# KiCad board poly_kb_molecule_4x5.kicad_pcb (continued)
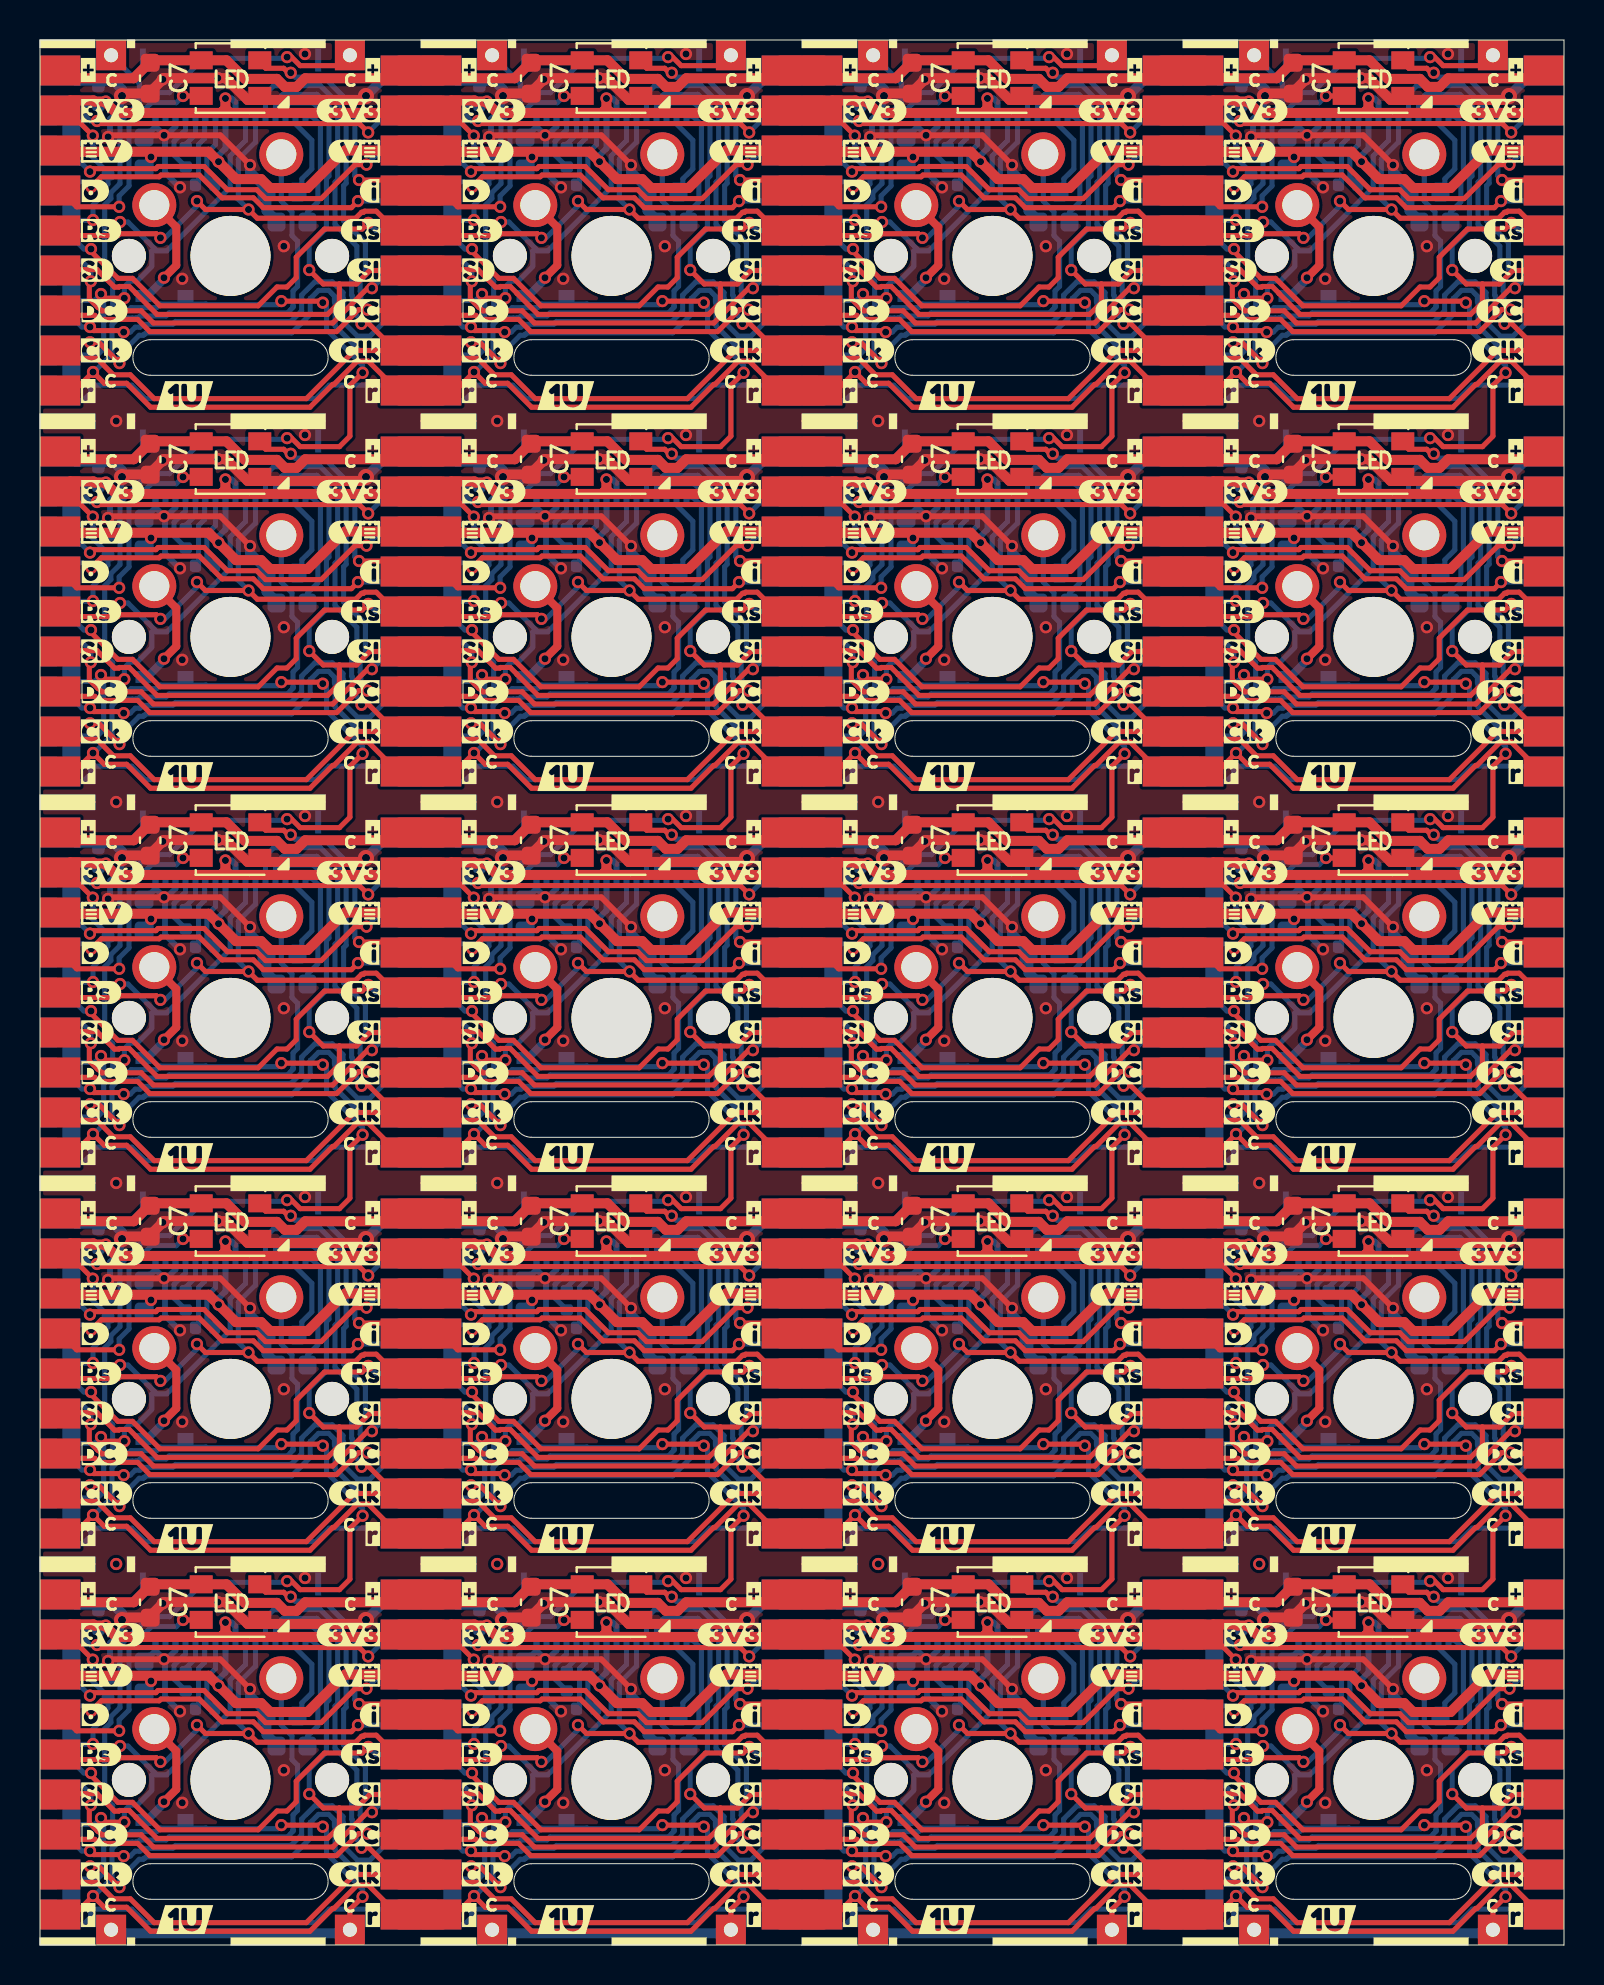
[diagram p0: board, top side]
## Routing (per net, layer and track width the routed paths; a pad name or vN(x,y) marks a point on that pad's centre or on a via; arc(x,y) is an arc through that point) (continued)
/Keyboard/sheet605ED2EB/LED_DIN: length 497.6
  Top w0.254: 36.83,30.58 36.3,31.1 v1(35,31.1) ; v1(50.64,55.51) 50.51,55.51 50.29,55.74 49.39,55.74 48.99,56.13 ; v1(69.69,17.41) 69.56,17.41 69.34,17.64 68.44,17.64 68.04,18.03 ; v1(23.01,29.76) 20.88,29.76 J3#7.4 ; v1(69.69,55.51) 69.56,55.51 69.34,55.74 68.44,55.74 68.04,56.13 ; 48.99,94.23 49.39,93.84 50.29,93.84 50.51,93.61 v1(50.64,93.61) ; 29.94,75.19 30.34,74.79 31.24,74.79 31.46,74.56 v1(31.59,74.56) ; v1(15.95,88.25) 17.25,88.25 17.78,87.72 ; J3#9.4 20.88,67.86 v1(23.01,67.86) ; J3#17.4 39.93,29.76 v1(42.06,29.76) ; v1(12.54,17.41) 12.41,17.41 12.19,17.64 11.29,17.64 10.89,18.03 ; v1(42.06,86.91) 39.93,86.91 J3#19.4 ; 36.83,68.67 36.3,69.2 v1(35,69.2) ; v1(31.59,55.51) 31.46,55.51 31.24,55.74 30.34,55.74 29.94,56.13 ; LED1#10.2 65.2,92.45 v1(64.3,92.45) ; v1(73.1,88.25) 74.41,88.25 74.93,87.72 ; v1(35,50.15) 36.3,50.15 36.83,49.62 ; J3#2.4 20.88,48.81 v1(23.01,48.81) ; LED1#3.2 65.2,54.35 v1(64.3,54.35) ; v1(7.15,92.45) 8.05,92.45 LED1.2 ; 74.93,30.58 74.41,31.1 v1(73.1,31.1) ; 74.93,11.53 74.41,12.05 v1(73.1,12.05) ; v1(26.2,35.3) 27.1,35.3 LED1#11.2 ; v1(61.11,10.71) 58.98,10.71 J3#15.4 ; J3#4.4 1.83,48.81 v1(3.96,48.81) ; 17.78,49.62 17.25,50.15 v1(15.95,50.15) ; LED1#9.2 8.05,16.25 v1(7.15,16.25) ; J3#12.4 58.98,86.91 v1(61.11,86.91) ; 68.04,94.23 68.44,93.84 69.34,93.84 69.56,93.61 v1(69.69,93.61) ; v1(31.59,36.46) 31.46,36.46 31.24,36.69 30.34,36.69 29.94,37.08 ; LED1#16.2 8.05,73.4 v1(7.15,73.4) ; v1(61.11,48.81) 58.98,48.81 J3#13.4 ; v1(3.96,67.86) 1.83,67.86 J3#10.4 ; LED1#20.2 27.1,92.45 v1(26.2,92.45) ; v1(15.95,69.2) 17.25,69.2 17.78,68.67 ; 74.93,68.67 74.41,69.2 v1(73.1,69.2) ; 17.78,30.58 17.25,31.1 v1(15.95,31.1) ; v1(45.25,16.25) 46.16,16.25 LED1#8.2 ; LED1#12.2 46.16,92.45 v1(45.25,92.45) ; v1(26.2,16.25) 27.1,16.25 LED1#17.2 ; 36.83,11.53 36.3,12.05 v1(35,12.05) ; v1(64.3,35.3) 65.2,35.3 LED1#2.2 ; v1(42.06,10.71) 39.93,10.71 J3#3.4 ; v1(31.59,93.61) 31.46,93.61 31.24,93.84 30.34,93.84 29.94,94.23 ; 68.04,37.08 68.44,36.69 69.34,36.69 69.56,36.46 v1(69.69,36.46) ; J3#11.4 20.88,86.91 v1(23.01,86.91) ; v1(12.54,36.46) 12.41,36.46 12.19,36.69 11.29,36.69 10.89,37.08 ; v1(45.25,54.35) 46.16,54.35 LED1#18.2 ; J3#5.4 58.98,67.86 v1(61.11,67.86) ; J3#8.4 1.83,10.71 v1(3.96,10.71) ; v1(54.05,88.25) 55.36,88.25 55.88,87.72 ; 29.94,18.03 30.34,17.64 31.24,17.64 31.46,17.41 v1(31.59,17.41) ; LED1#14.2 46.16,73.4 v1(45.25,73.4) ; v1(3.96,86.91) 1.83,86.91 J3.4 ; 36.83,87.72 36.3,88.25 v1(35,88.25) ; v1(73.1,50.15) 74.41,50.15 74.93,49.62 ; v1(54.05,12.05) 55.36,12.05 55.88,11.53 ; LED1#4.2 27.1,54.35 v1(26.2,54.35) ; v1(50.64,74.56) 50.51,74.56 50.29,74.79 49.39,74.79 48.99,75.19 ; 10.89,56.13 11.29,55.74 12.19,55.74 12.41,55.51 v1(12.54,55.51) ; 55.88,49.62 55.36,50.15 v1(54.05,50.15) ; LED1#5.2 8.05,54.35 v1(7.15,54.35) ; v1(54.05,69.2) 55.36,69.2 55.88,68.67 ; 48.99,18.03 49.39,17.64 50.29,17.64 50.51,17.41 v1(50.64,17.41) ; J3#18.4 39.93,67.86 v1(42.06,67.86) ; v1(15.95,12.05) 17.25,12.05 17.78,11.53 ; 55.88,30.58 55.36,31.1 v1(54.05,31.1) ; 48.99,37.08 49.39,36.69 50.29,36.69 50.51,36.46 v1(50.64,36.46) ; v1(64.3,16.25) 65.2,16.25 LED1#13.2 ; J3#14.4 20.88,10.71 v1(23.01,10.71) ; 68.04,75.19 68.44,74.79 69.34,74.79 69.56,74.56 v1(69.69,74.56) ; v1(12.54,93.61) 12.41,93.61 12.19,93.84 11.29,93.84 10.89,94.23 ; 10.89,75.19 11.29,74.79 12.19,74.79 12.41,74.56 v1(12.54,74.56) ; v1(45.25,35.3) 46.16,35.3 LED1#6.2 ; v1(42.06,48.81) 39.93,48.81 J3#6.4 ; J3#16.4 1.83,29.76 v1(3.96,29.76) ; v1(7.15,35.3) 8.05,35.3 LED1#7.2 ; LED1#19.2 27.1,73.4 v1(26.2,73.4) ; J3#20.4 58.98,29.76 v1(61.11,29.76) ; v1(64.3,73.4) 65.2,73.4 LED1#15.2
  Top w1.5: J4#5.4 J3#2.4 ; J4.4 J3#11.4 ; J4#16.4 J3#7.4 ; J3#15.4 J4#18.4 ; J3#5.4 J4#10.4 ; J4#15.4 J3#17.4 ; J3#13.4 J4#2.4 ; J4#20.4 J3#19.4 ; J3#12.4 J4#13.4 ; J4#17.4 J3#9.4 ; J4#12.4 J3#6.4 ; J4#8.4 J3#18.4 ; J3#20.4 J4#19.4 ; J4#9.4 J3#3.4 ; J4#4.4 J3#14.4
  Bottom w0.254: v1(3.96,67.86) 3.96,68.41 4.45,68.9 4.45,71.95 5.57,73.07 6.82,73.07 v1(7.15,73.4) ; v1(73.1,69.2) 72.89,69.41 72.89,72.8 71.35,74.34 69.91,74.34 v1(69.69,74.56) ; v1(7.15,54.35) 6.82,54.02 5.57,54.02 4.45,52.9 4.45,49.85 3.96,49.36 v1(3.96,48.81) ; v1(35,88.25) 34.79,88.46 34.79,91.85 33.25,93.39 31.81,93.39 v1(31.59,93.61) ; v1(50.64,74.56) 50.86,74.34 52.3,74.34 53.84,72.8 53.84,69.41 v1(54.05,69.2) ; v1(23.01,29.76) 23.01,30.31 23.5,30.8 23.5,33.85 24.62,34.97 25.87,34.97 v1(26.2,35.3) ; v1(50.64,93.61) 50.86,93.39 52.3,93.39 53.84,91.85 53.84,88.46 v1(54.05,88.25) ; v1(69.69,36.46) 69.91,36.24 71.35,36.24 72.89,34.7 72.89,31.31 v1(73.1,31.1) ; v1(42.06,86.91) 42.06,87.46 42.55,87.95 42.55,91 43.67,92.12 44.92,92.12 v1(45.25,92.45) ; v1(45.25,54.35) 44.92,54.02 43.67,54.02 42.55,52.9 42.55,49.85 42.06,49.36 v1(42.06,48.81) ; v1(73.1,50.15) 72.89,50.36 72.89,53.75 71.35,55.29 69.91,55.29 v1(69.69,55.51) ; v1(12.54,17.41) 12.76,17.19 14.2,17.19 15.74,15.65 15.74,12.26 v1(15.95,12.05) ; v1(12.54,55.51) 12.76,55.29 14.2,55.29 15.74,53.75 15.74,50.36 v1(15.95,50.15) ; v1(3.96,86.91) 3.96,87.46 4.45,87.95 4.45,91 5.57,92.12 6.82,92.12 v1(7.15,92.45) ; v1(61.11,67.86) 61.11,68.41 61.6,68.9 61.6,71.95 62.72,73.07 63.97,73.07 v1(64.3,73.4) ; v1(3.96,10.71) 3.96,11.26 4.45,11.75 4.45,14.8 5.57,15.92 6.82,15.92 v1(7.15,16.25) ; v1(31.59,74.56) 31.81,74.34 33.25,74.34 34.79,72.8 34.79,69.41 v1(35,69.2) ; v1(42.06,29.76) 42.06,30.31 42.55,30.8 42.55,33.85 43.67,34.97 44.92,34.97 v1(45.25,35.3) ; v1(12.54,93.61) 12.76,93.39 14.2,93.39 15.74,91.85 15.74,88.46 v1(15.95,88.25) ; v1(50.64,17.41) 50.86,17.19 52.3,17.19 53.84,15.65 53.84,12.26 v1(54.05,12.05) ; v1(15.95,31.1) 15.74,31.31 15.74,34.7 14.2,36.24 12.76,36.24 v1(12.54,36.46) ; v1(69.69,17.41) 69.91,17.19 71.35,17.19 72.89,15.65 72.89,12.26 v1(73.1,12.05) ; v1(64.3,54.35) 63.97,54.02 62.72,54.02 61.6,52.9 61.6,49.85 61.11,49.36 v1(61.11,48.81) ; v1(26.2,92.45) 25.87,92.12 24.62,92.12 23.5,91 23.5,87.95 23.01,87.46 v1(23.01,86.91) ; v1(61.11,10.71) 61.11,11.26 61.6,11.75 61.6,14.8 62.72,15.92 63.97,15.92 v1(64.3,16.25) ; v1(35,50.15) 34.79,50.36 34.79,53.75 33.25,55.29 31.81,55.29 v1(31.59,55.51) ; v1(26.2,16.25) 25.87,15.92 24.62,15.92 23.5,14.8 23.5,11.75 23.01,11.26 v1(23.01,10.71) ; v1(15.95,69.2) 15.74,69.41 15.74,72.8 14.2,74.34 12.76,74.34 v1(12.54,74.56) ; v1(3.96,29.76) 3.96,30.31 4.45,30.8 4.45,33.85 5.57,34.97 6.82,34.97 v1(7.15,35.3) ; v1(31.59,17.41) 31.81,17.19 33.25,17.19 34.79,15.65 34.79,12.26 v1(35,12.05) ; v1(64.3,92.45) 63.97,92.12 62.72,92.12 61.6,91 61.6,87.95 61.11,87.46 v1(61.11,86.91) ; v1(23.01,48.81) 23.01,49.36 23.5,49.85 23.5,52.9 24.62,54.02 25.87,54.02 v1(26.2,54.35) ; v1(54.05,50.15) 53.84,50.36 53.84,53.75 52.3,55.29 50.86,55.29 v1(50.64,55.51) ; v1(31.59,36.46) 31.81,36.24 33.25,36.24 34.79,34.7 34.79,31.31 v1(35,31.1) ; v1(69.69,93.61) 69.91,93.39 71.35,93.39 72.89,91.85 72.89,88.46 v1(73.1,88.25) ; v1(45.25,73.4) 44.92,73.07 43.67,73.07 42.55,71.95 42.55,68.9 42.06,68.41 v1(42.06,67.86) ; v1(50.64,36.46) 50.86,36.24 52.3,36.24 53.84,34.7 53.84,31.31 v1(54.05,31.1) ; v1(61.11,29.76) 61.11,30.31 61.6,30.8 61.6,33.85 62.72,34.97 63.97,34.97 v1(64.3,35.3) ; v1(45.25,16.25) 44.92,15.92 43.67,15.92 42.55,14.8 42.55,11.75 42.06,11.26 v1(42.06,10.71) ; v1(26.2,73.4) 25.87,73.07 24.62,73.07 23.5,71.95 23.5,68.9 23.01,68.41 v1(23.01,67.86)
/Keyboard/sheet605ED2EB/RESET: length 511.1
  Top w0.254: 17.78,66.67 16.81,67.64 16.23,67.64 16.18,67.59 16.08,67.59 15.78,67.29 10.86,67.29 v1(10.43,67.72) 8.27,67.72 v1(7.85,68.15) ; v1(26.9,30.05) 27.32,29.62 v1(29.48,29.62) 29.91,29.19 34.83,29.19 35.13,29.49 35.23,29.49 35.28,29.54 35.86,29.54 36.83,28.58 ; J3#17.5 39.37,28.32 42,28.32 42.09,28.41 43.92,28.41 v1(44.12,28.21) ; J3#4.5 1.27,47.37 3.9,47.37 3.99,47.46 5.82,47.46 v1(6.02,47.26) ; J3#15.5 58.42,9.27 61.05,9.27 61.14,9.36 62.97,9.36 v1(63.17,9.16) ; v1(65,30.05) 65.42,29.62 v1(67.58,29.62) 68.01,29.19 72.93,29.19 73.23,29.49 73.33,29.49 73.38,29.54 73.96,29.54 74.93,28.58 ; v1(6.02,28.21) 5.82,28.41 3.99,28.41 3.9,28.32 1.27,28.32 J3#16.5 ; v1(25.07,85.36) 24.87,85.56 23.04,85.56 22.95,85.47 20.32,85.47 J3#11.5 ; J3#8.5 1.27,9.27 3.9,9.27 3.99,9.36 5.82,9.36 v1(6.02,9.16) ; v1(44.12,9.16) 43.92,9.36 42.09,9.36 42,9.27 39.37,9.27 J3#3.5 ; v1(25.07,28.21) 24.87,28.41 23.04,28.41 22.95,28.32 20.32,28.32 J3#7.5 ; v1(63.17,66.31) 62.97,66.51 61.14,66.51 61.05,66.42 58.42,66.42 J3#5.5 ; v1(45.95,30.05) 46.37,29.62 v1(48.53,29.62) 48.96,29.19 53.88,29.19 54.18,29.49 54.28,29.49 54.33,29.54 54.91,29.54 55.88,28.58 ; v1(45.95,68.15) 46.37,67.72 v1(48.53,67.72) 48.96,67.29 53.88,67.29 54.18,67.59 54.28,67.59 54.33,67.64 54.91,67.64 55.88,66.67 ; v1(7.85,11) 8.27,10.57 v1(10.43,10.57) 10.86,10.14 15.78,10.14 16.08,10.44 16.18,10.44 16.23,10.49 16.81,10.49 17.78,9.53 ; v1(63.17,85.36) 62.97,85.56 61.14,85.56 61.05,85.47 58.42,85.47 J3#12.5 ; J3#10.5 1.27,66.42 3.9,66.42 3.99,66.51 5.82,66.51 v1(6.02,66.31) ; 17.78,47.62 16.81,48.59 16.23,48.59 16.18,48.54 16.08,48.54 15.78,48.24 10.86,48.24 v1(10.43,48.67) 8.27,48.67 v1(7.85,49.1) ; v1(26.9,49.1) 27.32,48.67 v1(29.48,48.67) 29.91,48.24 34.83,48.24 35.13,48.54 35.23,48.54 35.28,48.59 35.86,48.59 36.83,47.62 ; v1(63.17,28.21) 62.97,28.41 61.14,28.41 61.05,28.32 58.42,28.32 J3#20.5 ; v1(65,49.1) 65.42,48.67 v1(67.58,48.67) 68.01,48.24 72.93,48.24 73.23,48.54 73.33,48.54 73.38,48.59 73.96,48.59 74.93,47.62 ; 36.83,66.67 35.86,67.64 35.28,67.64 35.23,67.59 35.13,67.59 34.83,67.29 29.91,67.29 v1(29.48,67.72) 27.32,67.72 v1(26.9,68.15) ; v1(65,68.15) 65.42,67.72 v1(67.58,67.72) 68.01,67.29 72.93,67.29 73.23,67.59 73.33,67.59 73.38,67.64 73.96,67.64 74.93,66.67 ; v1(45.95,87.2) 46.37,86.77 v1(48.53,86.77) 48.96,86.34 53.88,86.34 54.18,86.64 54.28,86.64 54.33,86.69 54.91,86.69 55.88,85.72 ; v1(7.85,30.05) 8.27,29.62 v1(10.43,29.62) 10.86,29.19 15.78,29.19 16.08,29.49 16.18,29.49 16.23,29.54 16.81,29.54 17.78,28.58 ; v1(6.02,85.36) 5.82,85.56 3.99,85.56 3.9,85.47 1.27,85.47 J3.5 ; v1(65,87.2) 65.42,86.77 v1(67.58,86.77) 68.01,86.34 72.93,86.34 73.23,86.64 73.33,86.64 73.38,86.69 73.96,86.69 74.93,85.72 ; J3#9.5 20.32,66.42 22.95,66.42 23.04,66.51 24.87,66.51 v1(25.07,66.31) ; v1(26.9,11) 27.32,10.57 v1(29.48,10.57) 29.91,10.14 34.83,10.14 35.13,10.44 35.23,10.44 35.28,10.49 35.86,10.49 36.83,9.53 ; 17.78,85.72 16.81,86.69 16.23,86.69 16.18,86.64 16.08,86.64 15.78,86.34 10.86,86.34 v1(10.43,86.77) 8.27,86.77 v1(7.85,87.2) ; v1(44.12,85.36) 43.92,85.56 42.09,85.56 42,85.47 39.37,85.47 J3#19.5 ; v1(26.9,87.2) 27.32,86.77 v1(29.48,86.77) 29.91,86.34 34.83,86.34 35.13,86.64 35.23,86.64 35.28,86.69 35.86,86.69 36.83,85.72 ; v1(44.12,47.26) 43.92,47.46 42.09,47.46 42,47.37 39.37,47.37 J3#6.5 ; J3#2.5 20.32,47.37 22.95,47.37 23.04,47.46 24.87,47.46 v1(25.07,47.26) ; J3#14.5 20.32,9.27 22.95,9.27 23.04,9.36 24.87,9.36 v1(25.07,9.16) ; v1(44.12,66.31) 43.92,66.51 42.09,66.51 42,66.42 39.37,66.42 J3#18.5 ; 55.88,9.53 54.91,10.49 54.33,10.49 54.28,10.44 54.18,10.44 53.88,10.14 48.96,10.14 v1(48.53,10.57) 46.37,10.57 v1(45.95,11) ; v1(65,11) 65.42,10.57 v1(67.58,10.57) 68.01,10.14 72.93,10.14 73.23,10.44 73.33,10.44 73.38,10.49 73.96,10.49 74.93,9.53 ; v1(45.95,49.1) 46.37,48.67 v1(48.53,48.67) 48.96,48.24 53.88,48.24 54.18,48.54 54.28,48.54 54.33,48.59 54.91,48.59 55.88,47.62 ; J3#13.5 58.42,47.37 61.05,47.37 61.14,47.46 62.97,47.46 v1(63.17,47.26)
  Top w1.5: J4#13.5 J3#12.5 ; J4#10.5 J3#5.5 ; J4#9.5 J3#3.5 ; J4#19.5 J3#20.5 ; J4.5 J3#11.5 ; J4#15.5 J3#17.5 ; J4#18.5 J3#15.5 ; J4#2.5 J3#13.5 ; J4#8.5 J3#18.5 ; J4#4.5 J3#14.5 ; J4#20.5 J3#19.5 ; J4#12.5 J3#6.5 ; J4#5.5 J3#2.5 ; J4#17.5 J3#9.5 ; J4#16.5 J3#7.5
  Bottom w0.254: v1(6.02,28.21) 6.25,28.21 7.85,29.8 v1(7.85,30.05) ; J1#9.11 29.83,13.95 28.97,13.09 28.97,11.08 v1(29.48,10.57) ; J1#4.11 48.88,71.1 48.02,70.24 48.02,68.23 v1(48.53,67.72) ; v1(65,11) 65,10.75 63.4,9.16 v1(63.17,9.16) ; v1(10.43,86.77) 9.92,87.28 9.92,89.29 10.77,90.15 J1.11 ; v1(29.48,29.62) 28.97,30.13 28.97,32.14 29.83,33 J1#2.11 ; v1(65,68.15) 65,67.9 63.4,66.31 v1(63.17,66.31) ; v1(45.95,87.2) 45.95,86.95 44.35,85.36 v1(44.12,85.36) ; v1(26.9,68.15) 26.9,67.9 25.3,66.31 v1(25.07,66.31) ; J1#18.11 48.88,33 48.02,32.14 48.02,30.13 v1(48.53,29.62) ; J1#5.11 10.77,33 9.92,32.14 9.92,30.13 v1(10.43,29.62) ; J1#16.11 29.83,71.1 28.97,70.24 28.97,68.23 v1(29.48,67.72) ; J1#8.11 48.88,52.05 48.02,51.19 48.02,49.18 v1(48.53,48.67) ; v1(44.12,66.31) 44.35,66.31 45.95,67.9 v1(45.95,68.15) ; v1(44.12,28.21) 44.35,28.21 45.95,29.8 v1(45.95,30.05) ; J1#7.11 48.88,90.15 48.02,89.29 48.02,87.28 v1(48.53,86.77) ; J1#10.11 67.92,90.15 67.07,89.29 67.07,87.28 v1(67.58,86.77) ; v1(65,30.05) 65,29.8 63.4,28.21 v1(63.17,28.21) ; v1(7.85,11) 7.85,10.75 6.25,9.16 v1(6.02,9.16) ; v1(67.58,29.62) 67.07,30.13 67.07,32.14 67.92,33 J1#3.11 ; v1(65,49.1) 65,48.85 63.4,47.26 v1(63.17,47.26) ; v1(44.12,47.26) 44.35,47.26 45.95,48.85 v1(45.95,49.1) ; v1(26.9,11) 26.9,10.75 25.3,9.16 v1(25.07,9.16) ; J1#17.11 67.92,71.1 67.07,70.24 67.07,68.23 v1(67.58,67.72) ; v1(29.48,48.67) 28.97,49.18 28.97,51.19 29.83,52.05 J1#12.11 ; v1(10.43,67.72) 9.92,68.23 9.92,70.24 10.77,71.1 J1#20.11 ; v1(48.53,10.57) 48.02,11.08 48.02,13.09 48.88,13.95 J1#14.11 ; J1#15.11 67.92,13.95 67.07,13.09 67.07,11.08 v1(67.58,10.57) ; J1#11.11 10.77,13.95 9.92,13.09 9.92,11.08 v1(10.43,10.57) ; v1(25.07,85.36) 25.3,85.36 26.9,86.95 v1(26.9,87.2) ; J1#13.11 29.83,90.15 28.97,89.29 28.97,87.28 v1(29.48,86.77) ; v1(7.85,68.15) 7.85,67.9 6.25,66.31 v1(6.02,66.31) ; v1(26.9,49.1) 26.9,48.85 25.3,47.26 v1(25.07,47.26) ; v1(63.17,85.36) 63.4,85.36 65,86.95 v1(65,87.2) ; v1(6.02,85.36) 6.25,85.36 7.85,86.95 v1(7.85,87.2) ; J1#6.11 10.77,52.05 9.92,51.19 9.92,49.18 v1(10.43,48.67) ; v1(25.07,28.21) 25.3,28.21 26.9,29.8 v1(26.9,30.05) ; J1#19.11 67.92,52.05 67.07,51.19 67.07,49.18 v1(67.58,48.67) ; v1(45.95,11) 45.95,10.75 44.35,9.16 v1(44.12,9.16) ; v1(6.02,47.26) 6.25,47.26 7.85,48.85 v1(7.85,49.1)
/Keyboard/sheet605ED2EB/SCLK: length 764.1
  Top w0.254: v1(16.08,4.86) 16.44,4.86 17.78,3.53 ; J4#10.8 53.83,60.67 51.42,58.27 43.81,58.27 42.61,59.46 41.76,59.46 40.94,60.28 39.76,60.28 39.37,60.67 ; 17.78,41.62 16.44,42.96 v1(16.08,42.96) ; J4#17.8 15.73,60.67 13.32,58.27 5.71,58.27 4.51,59.46 3.66,59.46 2.84,60.28 1.66,60.28 1.27,60.67 ; 58.42,60.67 58.81,60.28 59.99,60.28 60.81,59.46 61.66,59.46 62.86,58.27 70.47,58.27 72.88,60.67 J4#3.8 ; 1.27,79.72 1.66,79.33 2.84,79.33 3.66,78.51 4.51,78.51 5.71,77.32 13.32,77.32 15.73,79.72 J4.8 ; 36.83,3.53 35.49,4.86 v1(35.13,4.86) ; 58.42,22.57 58.81,22.18 59.99,22.18 60.81,21.36 61.66,21.36 62.86,20.17 70.47,20.17 72.88,22.57 J4#14.8 ; J4#8.8 34.78,60.67 32.37,58.27 24.76,58.27 23.56,59.46 22.71,59.46 21.89,60.28 20.71,60.28 20.32,60.67 ; 1.27,22.57 1.66,22.18 2.84,22.18 3.66,21.36 4.51,21.36 5.71,20.17 13.32,20.17 15.73,22.57 J4#16.8 ; 74.93,41.62 73.59,42.96 v1(73.23,42.96) ; 39.37,3.53 39.76,3.13 40.94,3.13 41.76,2.31 42.61,2.31 43.81,1.12 51.42,1.12 53.83,3.53 J4#18.8 ; v1(73.23,4.86) 73.59,4.86 74.93,3.53 ; J4#15.8 34.78,22.57 32.37,20.17 24.76,20.17 23.56,21.36 22.71,21.36 21.89,22.18 20.71,22.18 20.32,22.57 ; J4#20.8 34.78,79.72 32.37,77.32 24.76,77.32 23.56,78.51 22.71,78.51 21.89,79.33 20.71,79.33 20.32,79.72 ; 17.78,60.67 16.44,62.01 v1(16.08,62.01) ; 55.88,22.57 54.54,23.91 v1(54.18,23.91) ; 58.42,79.72 58.81,79.33 59.99,79.33 60.81,78.51 61.66,78.51 62.86,77.32 70.47,77.32 72.88,79.72 J4#7.8 ; J4#2.8 53.83,41.62 51.42,39.22 43.81,39.22 42.61,40.41 41.76,40.41 40.94,41.23 39.76,41.23 39.37,41.62 ; v1(73.23,62.01) 73.59,62.01 74.93,60.67 ; v1(54.18,4.86) 54.54,4.86 55.88,3.53 ; 1.27,41.62 1.66,41.23 2.84,41.23 3.66,40.41 4.51,40.41 5.71,39.22 13.32,39.22 15.73,41.62 J4#5.8 ; 20.32,41.62 20.71,41.23 21.89,41.23 22.71,40.41 23.56,40.41 24.76,39.22 32.37,39.22 34.78,41.62 J4#12.8 ; 74.93,22.57 73.59,23.91 v1(73.23,23.91) ; 58.42,3.53 58.81,3.13 59.99,3.13 60.81,2.31 61.66,2.31 62.86,1.12 70.47,1.12 72.88,3.53 J4#6.8 ; J4#11.8 72.88,41.62 70.47,39.22 62.86,39.22 61.66,40.41 60.81,40.41 59.99,41.23 58.81,41.23 58.42,41.62 ; v1(35.13,81.06) 35.49,81.06 36.83,79.72 ; J4#4.8 15.73,3.53 13.32,1.12 5.71,1.12 4.51,2.31 3.66,2.31 2.84,3.13 1.66,3.13 1.27,3.53 ; 55.88,79.72 54.54,81.06 v1(54.18,81.06) ; 39.37,22.57 39.76,22.18 40.94,22.18 41.76,21.36 42.61,21.36 43.81,20.17 51.42,20.17 53.83,22.57 J4#19.8 ; v1(16.08,81.06) 16.44,81.06 17.78,79.72 ; v1(35.13,62.01) 35.49,62.01 36.83,60.67 ; v1(35.13,23.91) 35.49,23.91 36.83,22.57 ; v1(16.08,23.91) 16.44,23.91 17.78,22.57 ; 39.37,79.72 39.76,79.33 40.94,79.33 41.76,78.51 42.61,78.51 43.81,77.32 51.42,77.32 53.83,79.72 J4#13.8 ; 36.83,41.62 35.49,42.96 v1(35.13,42.96) ; v1(73.23,81.06) 73.59,81.06 74.93,79.72 ; v1(54.18,62.01) 54.54,62.01 55.88,60.67 ; v1(54.18,42.96) 54.54,42.96 55.88,41.62 ; J4#9.8 34.78,3.53 32.37,1.12 24.76,1.12 23.56,2.31 22.71,2.31 21.89,3.13 20.71,3.13 20.32,3.53
  Top w1.5: J4#5.8 J3#2.8 ; J4#17.8 J3#9.8 ; J4#4.8 J3#14.8 ; J3#5.8 J4#10.8 ; J3#15.8 J4#18.8 ; J3#13.8 J4#2.8 ; J4#8.8 J3#18.8 ; J3#12.8 J4#13.8 ; J3#20.8 J4#19.8 ; J4#20.8 J3#19.8 ; J4#12.8 J3#6.8 ; J4#9.8 J3#3.8 ; J4#16.8 J3#7.8 ; J4.8 J3#11.8 ; J4#15.8 J3#17.8
  Bottom w0.254: J1#5.13 11.77,35.02 12.14,35.38 13.84,35.38 14.75,34.47 14.75,34.47 14.88,34.34 14.88,31.12 14.75,30.99 14.75,28.88 15.84,27.79 15.84,26.54 15.58,26.28 15.58,25.35 15.61,25.31 15.61,24.54 16.08,24.08 v1(16.08,23.91) ; J1#16.13 30.83,73.12 31.19,73.48 32.89,73.48 33.8,72.57 33.8,72.57 33.93,72.44 33.93,69.22 33.8,69.09 33.8,66.98 34.89,65.89 34.89,64.64 34.63,64.38 34.63,63.45 34.66,63.41 34.66,62.64 35.13,62.18 v1(35.13,62.01) ; J1#3.13 68.92,35.02 69.29,35.38 70.99,35.38 71.9,34.47 71.9,34.47 72.03,34.34 72.03,31.12 71.9,30.99 71.9,28.88 72.99,27.79 72.99,26.54 72.73,26.28 72.73,25.35 72.76,25.31 72.76,24.54 73.23,24.08 v1(73.23,23.91) ; J1#20.13 11.77,73.12 12.14,73.48 13.84,73.48 14.75,72.57 14.75,72.57 14.88,72.44 14.88,69.22 14.75,69.09 14.75,66.98 15.84,65.89 15.84,64.64 15.58,64.38 15.58,63.45 15.61,63.41 15.61,62.64 16.08,62.18 v1(16.08,62.01) ; J1#7.13 49.88,92.17 50.24,92.53 51.94,92.53 52.85,91.62 52.85,91.62 52.98,91.49 52.98,88.27 52.85,88.14 52.85,86.03 53.94,84.94 53.94,83.69 53.68,83.43 53.68,82.5 53.71,82.46 53.71,81.69 54.18,81.23 v1(54.18,81.06) ; J1#8.13 49.88,54.07 50.24,54.43 51.94,54.43 52.85,53.52 52.85,53.52 52.98,53.39 52.98,50.17 52.85,50.04 52.85,47.93 53.94,46.84 53.94,45.59 53.68,45.33 53.68,44.4 53.71,44.36 53.71,43.59 54.18,43.13 v1(54.18,42.96) ; v1(35.13,23.91) 35.13,24.08 34.66,24.54 34.66,25.31 34.63,25.35 34.63,26.28 34.89,26.54 34.89,27.79 33.8,28.88 33.8,30.99 33.93,31.12 33.93,34.34 33.8,34.47 33.8,34.47 32.89,35.38 31.19,35.38 30.83,35.02 J1#2.13 ; J1#13.13 30.83,92.17 31.19,92.53 32.89,92.53 33.8,91.62 33.8,91.62 33.93,91.49 33.93,88.27 33.8,88.14 33.8,86.03 34.89,84.94 34.89,83.69 34.63,83.43 34.63,82.5 34.66,82.46 34.66,81.69 35.13,81.23 v1(35.13,81.06) ; v1(73.23,42.96) 73.23,43.13 72.76,43.59 72.76,44.36 72.73,44.4 72.73,45.33 72.99,45.59 72.99,46.84 71.9,47.93 71.9,50.04 72.03,50.17 72.03,53.39 71.9,53.52 71.9,53.52 70.99,54.43 69.29,54.43 68.92,54.07 J1#19.13 ; J1#18.13 49.88,35.02 50.24,35.38 51.94,35.38 52.85,34.47 52.85,34.47 52.98,34.34 52.98,31.12 52.85,30.99 52.85,28.88 53.94,27.79 53.94,26.54 53.68,26.28 53.68,25.35 53.71,25.31 53.71,24.54 54.18,24.08 v1(54.18,23.91) ; J1#17.13 68.92,73.12 69.29,73.48 70.99,73.48 71.9,72.57 71.9,72.57 72.03,72.44 72.03,69.22 71.9,69.09 71.9,66.98 72.99,65.89 72.99,64.64 72.73,64.38 72.73,63.45 72.76,63.41 72.76,62.64 73.23,62.18 v1(73.23,62.01) ; J1#14.13 49.88,15.97 50.24,16.33 51.94,16.33 52.85,15.42 52.85,15.42 52.98,15.29 52.98,12.07 52.85,11.94 52.85,9.83 53.94,8.74 53.94,7.49 53.68,7.23 53.68,6.3 53.71,6.26 53.71,5.49 54.18,5.03 v1(54.18,4.86) ; J1#11.13 11.77,15.97 12.14,16.33 13.84,16.33 14.75,15.42 14.75,15.42 14.88,15.29 14.88,12.07 14.75,11.94 14.75,9.83 15.84,8.74 15.84,7.49 15.58,7.23 15.58,6.3 15.61,6.26 15.61,5.49 16.08,5.03 v1(16.08,4.86) ; J1#9.13 30.83,15.97 31.19,16.33 32.89,16.33 33.8,15.42 33.8,15.42 33.93,15.29 33.93,12.07 33.8,11.94 33.8,9.83 34.89,8.74 34.89,7.49 34.63,7.23 34.63,6.3 34.66,6.26 34.66,5.49 35.13,5.03 v1(35.13,4.86) ; v1(54.18,62.01) 54.18,62.18 53.71,62.64 53.71,63.41 53.68,63.45 53.68,64.38 53.94,64.64 53.94,65.89 52.85,66.98 52.85,69.09 52.98,69.22 52.98,72.44 52.85,72.57 52.85,72.57 51.94,73.48 50.24,73.48 49.88,73.12 J1#4.13 ; v1(73.23,81.06) 73.23,81.23 72.76,81.69 72.76,82.46 72.73,82.5 72.73,83.43 72.99,83.69 72.99,84.94 71.9,86.03 71.9,88.14 72.03,88.27 72.03,91.49 71.9,91.62 71.9,91.62 70.99,92.53 69.29,92.53 68.92,92.17 J1#10.13 ; v1(35.13,42.96) 35.13,43.13 34.66,43.59 34.66,44.36 34.63,44.4 34.63,45.33 34.89,45.59 34.89,46.84 33.8,47.93 33.8,50.04 33.93,50.17 33.93,53.39 33.8,53.52 33.8,53.52 32.89,54.43 31.19,54.43 30.83,54.07 J1#12.13 ; v1(16.08,42.96) 16.08,43.13 15.61,43.59 15.61,44.36 15.58,44.4 15.58,45.33 15.84,45.59 15.84,46.84 14.75,47.93 14.75,50.04 14.88,50.17 14.88,53.39 14.75,53.52 14.75,53.52 13.84,54.43 12.14,54.43 11.77,54.07 J1#6.13 ; J1#15.13 68.92,15.97 69.29,16.33 70.99,16.33 71.9,15.42 71.9,15.42 72.03,15.29 72.03,12.07 71.9,11.94 71.9,9.83 72.99,8.74 72.99,7.49 72.73,7.23 72.73,6.3 72.76,6.26 72.76,5.49 73.23,5.03 v1(73.23,4.86) ; v1(16.08,81.06) 16.08,81.23 15.61,81.69 15.61,82.46 15.58,82.5 15.58,83.43 15.84,83.69 15.84,84.94 14.75,86.03 14.75,88.14 14.88,88.27 14.88,91.49 14.75,91.62 14.75,91.62 13.84,92.53 12.14,92.53 11.77,92.17 J1.13
